# Altium PCB PCB-Tester-Board.PcbDoc (part 5 of 7) (continued)
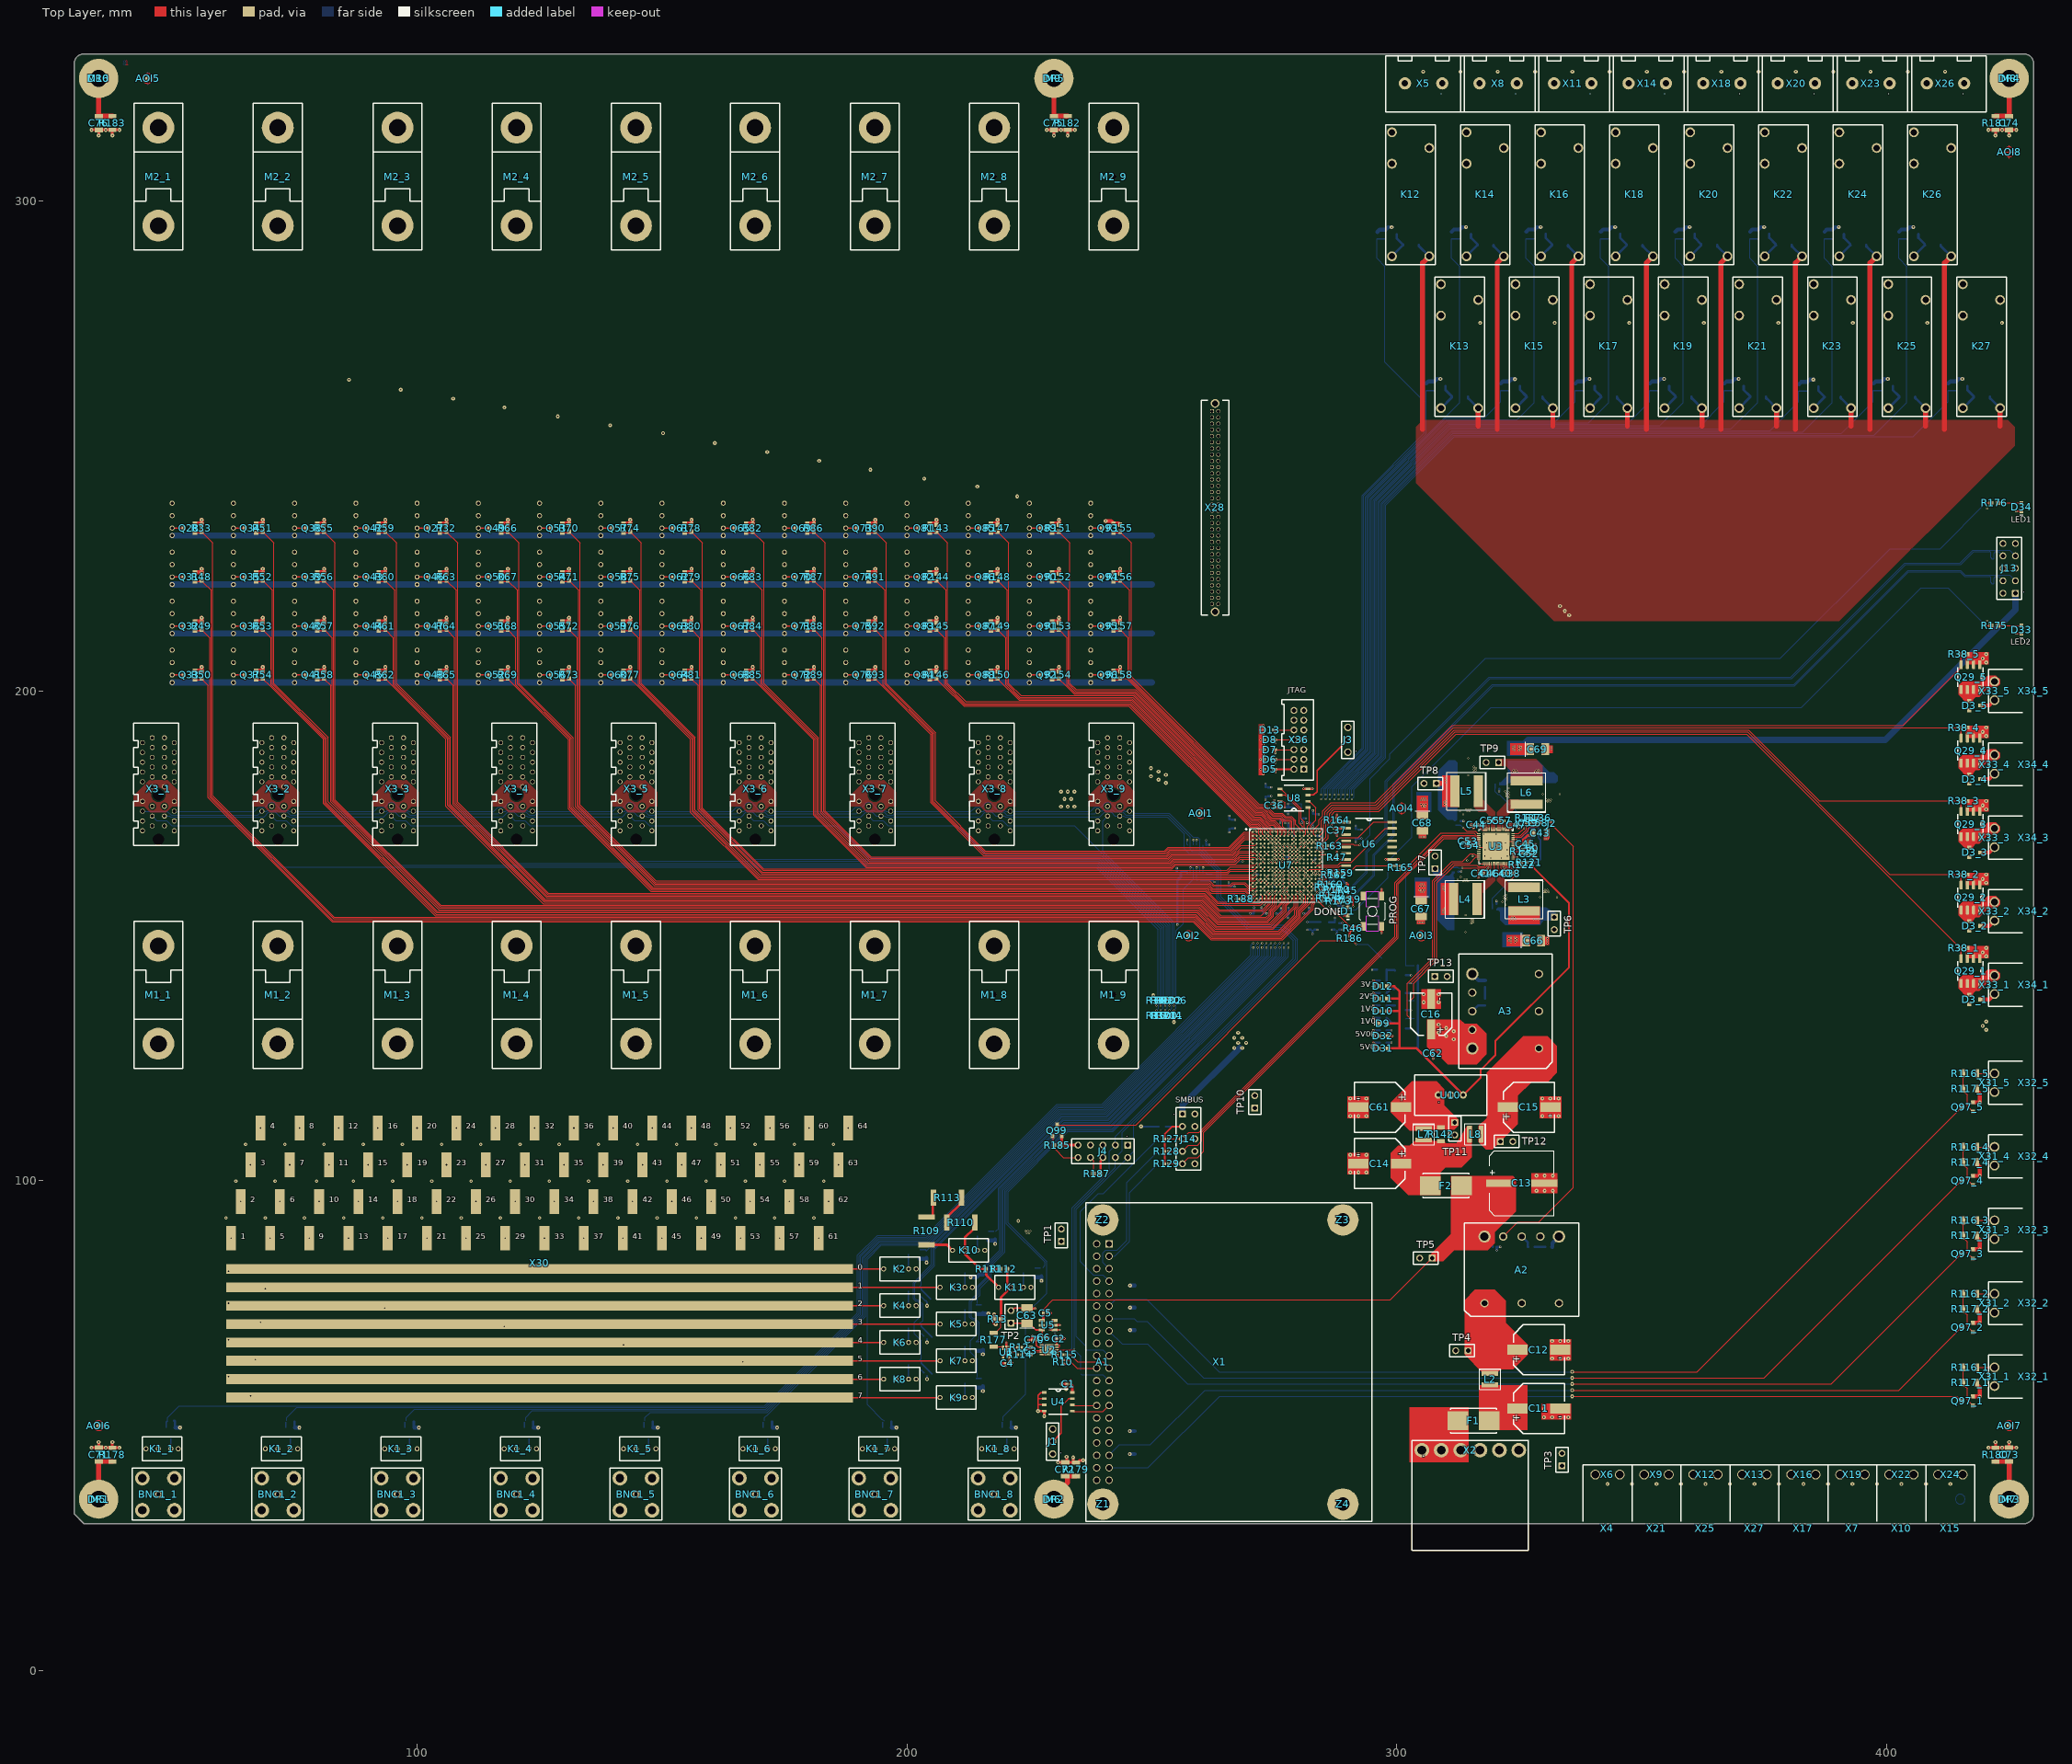
[diagram p0: Top Layer view]
## Nets (pads, with @x,y where several pads share a name; then routed paths per layer and width w, separated by ;. In a path a pad name is that pad's centre, name@x,y a point inside that pad or via, vN(x,y) a via of type N, cw(c..) or ccw(c..) an arc to the next point about the centre after c; other vN are vias at no path point) (continued)
  Bottom Layer w0.47: v1(294.968,143.107) Q98.2@295.967,143.107 ; R168.1@297.867,130.688 v1(298.865,130.688) ; R167.1@297.88,128.162 v1(298.878,128.162) ; Q30.2@301.9,131.123 v1(302.898,131.123) ; Q78.2@301.9,134.807 v1(302.898,134.807) ; Q79.2@301.9,138.343 v1(302.898,138.343) ; Q80.2@301.9,141.943 v1(302.898,141.943)
  Bottom Layer w0.508: R1_1.1@50.428,50.986 50.435,50.986 50.581,50.84 50.581,49.7 Q77_1.2@50.678,49.603 ; Q77_2.2@74.952,49.7 R1_2.1@74.952,50.84 ; Q77_3.2@99.327,49.7 R1_3.1@99.327,50.84 ; Q77_4.2@123.702,49.7 R1_4.1@123.702,50.84 ; Q77_5.2@148.077,49.7 R1_5.1@148.077,50.84 ; Q77_6.2@172.452,49.7 R1_6.1@172.452,50.84 ; Q77_7.2@196.827,49.7 R1_7.1@196.827,50.84 ; Q77_8.2@221.202,49.7 R1_8.1@221.202,50.84 ; v1(224.825,67.5) C64.2@225.6,67.5 v1(225.6,68.275) ; U9.1@227.55,66.425 227.625,66.35 v1(228.4,66.35) ; v1(231.4,68.5) 231.551,68.349 231.551,67.763 C65.2@231.564,67.75 v1(232.15,67.75) ; C77.2@255.1,163.1 v1(255.1,163.8) ; C449.2@283.8,170.4 283.821,170.379 284.221,170.379 v1(284.6,170) ; v1(320.4,85.8) C39.2@320.4,86.5 v1(321.099,86.5)
  Bottom Layer w0.8: Q77_1.2@50.678,49.603 v2(51.611,49.603) ; Q77_2.2@75.053,49.603 v2(75.986,49.603) ; Q77_3.2@99.428,49.603 v2(100.361,49.603) ; Q77_4.2@123.803,49.603 v2(124.736,49.603) ; Q77_5.2@148.178,49.603 v2(149.111,49.603) ; Q77_6.2@172.553,49.603 v2(173.486,49.603) ; Q77_7.2@196.928,49.603 v2(197.861,49.603) ; Q1.2@202.63,84.03 R2.1@203.75,84.03 ; v2(204,83.322) R2.1@204,84.255 ; v2(212.995,80.28) Q2.2@214.13,80.28 ; Q8.2@214.13,57.78 215.25,57.78 215.45,57.98 R9.1@215.5,57.98 ; Q6.2@214.13,65.28 R7.1@215.25,65.28 ; Q4.2@214.13,72.78 216.051,72.78 ; Q2.2@214.165,80.28 214.18,80.28 214.18,80.295 214.765,80.88 215.535,80.88 R3.1@215.535,80.93 ; v2(215.5,57.072) R9.1@215.5,57.98 ; R9.1@215.5,58.03 R9.1@215.5,57.98 ; v2(215.5,64.572) R7.1@215.5,65.505 ; R5.1@215.5,73.03 215.653,72.877 v2(216.631,72.877) ; Q9.2@216.63,87.82 Q9.2@216.67,87.82 R14.1@217.75,87.82 ; v2(218,87.112) R14.1@218,88.045 ; Q77_8.2@221.303,49.603 v2(222.236,49.603) ; Q10.2@226.078,80.28 R15.1@227.198,80.28 ; v2(227.448,79.572) R15.1@227.448,80.505 ; R17.1@296.031,293.681 296.481,294.131 Q12.2@297.669,294.131 ; Q12.2@297.719,294.158 298.187,294.627 v2(298.94,294.627) ; R18.1@305.993,262.72 306.443,263.17 Q13.2@307.63,263.17 ; Q13.2@307.68,263.197 308.149,263.665 v2(308.902,263.665) ; R19.1@311.213,293.72 311.663,294.17 Q14.2@312.85,294.17 312.9,294.17 312.9,294.197 313.369,294.665 v2(314.122,294.665) ; A3.4@315.4,142.2 316.7,140.9 R42.1@318,140.9 ; R20.1@321.213,262.72 321.663,263.17 Q15.2@322.85,263.17 ; Q15.2@322.9,263.142 323.369,263.611 v2(324.122,263.611) ; R21.1@326.433,293.72 326.883,294.17 Q16.2@328.07,294.17 ; Q16.2@328.12,294.197 328.589,294.665 v2(329.342,294.665) ; R40.1@331.7,86.5 331.75,86.5 331.75,87.25 A2.4@333.1,88.6 ; R22.1@336.433,262.72 336.883,263.17 Q17.2@338.07,263.17 ; Q17.2@338.12,263.197 338.589,263.665 v2(339.342,263.665) ; R23.1@341.653,293.72 342.103,294.17 Q18.2@343.29,294.17 ; Q18.2@343.34,294.197 343.809,294.665 v2(344.562,294.665) ; R24.1@351.653,262.72 352.103,263.17 Q19.2@353.29,263.17 ; Q19.2@353.34,263.197 353.809,263.665 v2(354.562,263.665) ; R25.1@356.873,293.72 357.323,294.17 Q20.2@358.51,294.17 ; Q20.2@358.56,294.197 359.029,294.665 v2(359.782,294.665) ; R26.1@366.873,262.72 367.323,263.17 Q21.2@368.51,263.17 ; Q21.2@368.56,263.197 369.029,263.665 v2(369.782,263.665) ; R27.1@372.093,293.72 372.543,294.17 Q22.2@373.73,294.17 ; Q22.2@373.78,294.197 374.249,294.665 v2(375.002,294.665) ; R28.1@382.093,262.587 382.543,263.037 Q23.2@383.73,263.037 ; Q23.2@383.78,263.065 384.249,263.533 v2(385.002,263.533) ; R29.1@387.313,293.72 387.763,294.17 Q24.2@388.95,294.17 ; Q24.2@389,294.197 389.469,294.665 v2(390.222,294.665) ; R30.1@397.313,262.72 397.763,263.17 Q25.2@398.95,263.17 ; Q25.2@399,263.197 399.469,263.665 v2(400.222,263.665) ; R31.1@402.533,293.72 402.983,294.17 Q26.2@404.17,294.17 ; Q26.2@404.22,294.197 404.689,294.665 v2(405.442,294.665) ; R16.1@412.533,262.72 412.983,263.17 Q11.2@414.17,263.17 ; Q11.2@414.22,263.197 414.689,263.665 v2(415.442,263.665)
  other v1: 228.4,64.65 229.6,64.65 229,65.5 229.6,66.35 330.752,148.5 330.752,148.983 330.752,149.465 314.046,150.774 315.174,152.504 304.462,152.685 304.945,152.685 305.427,152.685 315.58,152.758 315.174,152.986 315.58,153.24 315.174,153.469 314.057,154.229 322.199,156.337 321.564,156.947 285.7,157.1 322.293,157.352 321.886,157.581 322.293,157.835 329.227,157.846 332.681,157.835 321.886,158.063 322.293,158.317 330.01,158.963 330.493,158.963 330.976,158.963 330.239,159.369 330.722,159.369 313.563,161.163 314.046,161.163 314.528,161.163 312.42,161.392 313.792,161.569 314.274,161.569 313.03,162.001 316.763,162.001 324.256,162.636 324.231,163.144 316.789,163.398 323.717,164.925 324.714,165.202 314.35,165.4 328.375,165.874 319.151,165.875 321.31,165.875 315.456,166.28 317.964,166.28 322.536,166.28 328.375,166.695 327.901,167.249 318,167.575 322.5,167.575 328.375,167.802 328.375,168.653 318.301,168.925 322.16,168.925 326.65,169.348 327.125,169.348 330.251,169.824 330.733,169.824 304.749,170.18 305.232,170.18 305.714,170.18 317.754,170.739 320.25,170.739 322.746,170.739 315.646,172.11 324.897,172.11 315.189,172.669 325.354,172.669 327.85,173.077 327.85,173.584 327.85,174.077 313.538,174.752 312.9,175.42 314.38,175.42 314.862,175.42 314.126,175.827 314.608,175.827 315.091,175.827 330.777,177.37 331.26,177.37 330.523,177.777 331.006,177.777 331.488,177.777 322.83,178.282 322.423,178.511 322.83,178.765 333.227,178.893 329.772,178.905 322.423,178.994 322.83,179.248 322.123,179.442 322.83,180.145 314.583,182.769 272.7,183 315.711,183.517 316.117,183.771 272.2,184 315.711,184 316.117,184.254 315.711,184.482 272.7,185 272.2,186 314.594,186.224 272.7,187 272.2,188 331.539,188.073 331.539,188.556 272.7,189 272.2,190 272.7,191 272.2,192 272.7,193 420.5,214.3 420.5,237.2
  other v2: 343.006,38.09 348.006,38.09 353.006,38.09 358.006,38.09 363.006,38.09 368.006,38.09 373.006,38.09 378.006,38.09 383.006,38.09 388.006,38.09 393.006,38.09 398.006,38.09 403.006,38.09 408.006,38.09 413.006,38.09 330.048,51.714 331.699,51.714 333.35,51.714 335.001,51.714 330.048,53.365 331.699,63.714 333.35,63.714 335.001,63.714 331.699,67.286 333.35,67.286 335.001,67.286 328.523,97.951 330.174,97.951 331.826,97.951 328.523,101.049 330.174,101.049 331.826,101.049 290.499,101.714 292.15,101.714 293.801,101.714 290.499,105.286 292.15,105.286 293.801,105.286 290.499,113.214 292.15,113.214 293.801,113.214 329.699,113.214 331.35,113.214 333.001,113.214 290.499,116.786 292.15,116.786 293.801,116.786 329.699,116.786 331.35,116.786 333.001,116.786 420.3,130.8 419.6,131.6 420.3,132.5 305.46,136.423 308.54,136.423 305.46,138.074 308.54,138.074 420.3,145.8 419.6,146.6 420.3,147.5 420.3,160.8 419.6,161.6 420.3,162.5 420.3,175.8 419.6,176.6 420.3,177.5 420.3,190.8 419.6,191.6 420.3,192.5 420.3,205.8 419.6,206.6 420.3,207.5 222.506,239.681 214.39,241.69 203.516,243.31 192.527,245.125 182.098,246.939 171.46,248.754 160.775,250.568 150.206,252.59 139.404,254.198 128.719,256.012 117.818,257.827 107.348,259.642 96.663,261.456 86.106,263.49 317,275.1 332.22,275.1 347.44,275.1 362.66,275.1 377.88,275.1 393.1,275.1 408.32,275.1 423.54,275.1 305.378,326.39 312.988,326.39 320.598,326.39 328.208,326.39 335.818,326.39 343.428,326.39 351.038,326.39 358.648,326.39 366.258,326.39 373.868,326.39 381.478,326.39 389.088,326.39 396.698,326.39 404.308,326.39 411.918,326.39
  other v3: 222.7,91.8 61,92.4 69,92.4 77,92.4 85,92.4 93,92.4 101,92.4 109,92.4 117,92.4 125,92.4 133,92.4 141,92.4 149,92.4 157,92.4 165,92.4 173,92.4 181,92.4 63,99.9 71,99.9 79.5,99.9 87,99.9 95,99.9 103,99.9 111,99.9 119,99.9 127,99.9 135,99.9 143,99.9 151,99.9 159,99.9 167,99.9 175,99.9 183,99.9 65,107.4 73,107.4 81,107.4 89,107.4 97,107.4 105,107.4 113,107.4 121,107.4 129,107.4 137,107.4 145,107.4 153,107.4 161,107.4 169,107.4 177,107.4 185,107.4
HS1_15_N: J13.8 R170.1 R171.2 | length 177.7
  Top Layer w0.14: R171.2@286.169,159.616 286.549,159.616 286.924,159.241 287.559,159.241 R170.1@287.8,159 288.041,159.241 288.457,159.241 288.575,159.124 v1(288.645,159.124)
  Bottom Layer w0.14: 288.833,159.241 290.304,159.241 293.986,162.923 293.986,167.064 297.988,171.066 297.988,181.468 319.018,202.498 380.572,202.498 403.847,225.772 413.844,225.772 415.121,225.772 417.736,228.387 420.257,228.387 420.974,228.387 cw(c420.974,228.063) 421.298,228.063 421.298,227.232 ccw(c421.622,227.232) 421.946,227.232 421.946,228.063 cw(c422.27,228.063) 422.27,228.387 422.883,228.387 J13.8@423.73,227.54
HS1_15_P: J13.7 R169.2 R170.2 | length 177.7
  Top Layer w0.14: R169.2@286.783,160.217 286.783,159.832 287.056,159.559 287.559,159.559 R170.2@287.8,159.8 288.041,159.559 288.457,159.559 288.575,159.676 v1(288.645,159.676)
  Bottom Layer w0.14: 288.833,159.559 290.172,159.559 293.668,163.055 293.668,167.196 297.67,171.197 297.67,181.599 318.886,202.815 380.441,202.815 403.715,226.09 413.844,226.09 413.976,226.09 414.99,226.09 417.605,228.705 425.105,228.705 J13.7@426.27,227.54
HS2_15_N: J13.4 R173.1 R174.2 | length 176.7
  Top Layer w0.14: R174.2@286.483,157.317 286.863,157.317 287.238,156.942 287.872,156.942 R173.1@288.114,156.701 ; R173.1@288.355,156.942 288.771,156.942 288.888,156.825 v1(288.958,156.825)
  Bottom Layer w0.14: 289.146,156.942 290.145,156.942 295.499,162.297 295.499,166.437 299.501,170.439 299.501,180.841 319.644,200.985 381.199,200.985 404.473,224.259 414.925,224.259 415.877,223.307 420.257,223.307 420.974,223.307 cw(c420.974,222.983) 421.298,222.983 421.298,222.152 ccw(c421.622,222.152) 421.946,222.152 421.946,222.983 cw(c422.27,222.983) 422.27,223.307 422.883,223.307 J13.4@423.73,222.46
HS2_15_P: J13.3 R172.2 R173.2 | length 176.7
  Top Layer w0.14: R172.2@287.096,157.918 287.096,157.533 287.369,157.26 287.872,157.26 R173.2@288.114,157.501 ; R173.2@288.355,157.26 288.771,157.26 288.888,157.377 v1(288.958,157.377)
  Bottom Layer w0.14: 289.146,157.26 290.013,157.26 295.182,162.428 295.182,166.569 299.183,170.571 299.183,180.973 319.513,201.302 381.067,201.302 404.342,224.577 415.056,224.577 416.008,223.625 425.105,223.625 J13.3@426.27,222.46
ID_SC_2: U4.6 X1.28 | length 5
  Top Layer w0.152: U4.6@233.75,54.25 233.89,54.11 X1.28@238.724,54.11
ID_SD_2: U4.5 X1.27 | length 8.1
  Top Layer w0.152: U4.5@233.75,52.98 233.868,52.862 240.016,52.862 X1.27@241.264,54.11
In1_2: Q97_5.3 R166_5.1 X1.11 | length 203.2
  Top Layer w0.152: v2(335.786,61.006) 361.256,61.006 414.926,114.676 414.926,114.726 415.25,115.05 Q97_5.3@415.3,115.05
  Bottom Layer w0.152: X1.11@241.264,74.43 242.665,75.832 248.945,75.832 263.77,61.006 v2(335.786,61.006)
In2_2: Q97_4.3 R166_4.1 X1.13 | length 195.8
  Top Layer w0.152: v2(335.786,59.755) 374.955,59.755 414.926,99.726 414.976,99.726 Q97_4.3@415.3,100.05
  Bottom Layer w0.152: X1.13@241.264,71.89 246.351,71.89 246.592,71.649 246.941,71.3 248.977,71.3 260.522,59.755 v2(335.786,59.755)
In3_2: Q97_3.3 R166_3.1 X1.15 | length 189.5
  Top Layer w0.152: v2(335.786,58.503) 388.703,58.503 415.25,85.05 Q97_3.3@415.3,85.05
  Bottom Layer w0.152: X1.15@241.264,69.35 243.914,66.7 249.077,66.7 257.273,58.503 v2(335.786,58.503)
In4_2: Q97_2.3 R166_2.1 X1.35 | length 184.9
  Top Layer w0.152: v2(335.786,57.252) 402.452,57.252 Q97_2.3@415.292,70.092
  Bottom Layer w0.152: X1.35@241.264,43.95 243.417,46.104 247.306,46.104 247.313,46.112 249.688,46.112 260.828,57.252 v2(335.786,57.252)
In5_2: Q97_1.3 R166_1.1 X1.37 | length 180.5
  Top Layer w0.152: v2(335.786,56) 414.3,56 414.926,55.374 415.25,55.05 Q97_1.3@415.3,55.05
  Bottom Layer w0.152: X1.37@241.264,41.41 249.237,41.41 263.827,56 v2(335.786,56)
LED1_15: R176.2 U7.E17 | length 174.9
  Top Layer w0.127: 283.8,168.4 284.6,168.4
  Top Layer w0.152: U7.E17@283.4,168 283.8,168.4 ; 284.6,168.4 285.205,167.795 287.107,167.795 288.055,168.743 291.068,168.743 291.269,168.541 v1(292.406,168.541)
  Top Layer w0.203: v1(420.219,238.325) R176.2@421.3,238.325
  Bottom Layer w0.152: v1(292.406,168.541) 294.493,170.629 294.493,182.034 298.6,186.14 298.6,187.1 318.1,206.6 378.3,206.6 400.7,229 410.894,229 v1(420.219,238.325)
LED2_15: R175.2 U7.U17 | length 178.1
  Top Layer w0.127: 283.8,157.2 283.8,158
  Top Layer w0.152: U7.U17@283.4,158.4 283.8,158 ; 283.8,157.2 v1(285.727,155.273)
  Top Layer w0.203: v1(420.219,213.325) R175.2@421.3,213.325
  Bottom Layer w0.152: v1(285.727,155.273) 291.596,155.273 298.203,161.88 298.203,165.26 303.1,170.157 303.1,180.44 319.26,196.6 382.6,196.6 407.033,221.033 412.511,221.033 v1(420.219,213.325)
MISO_1: J4.3 R115.2 R118.1 X1.21 X3_1.A15 X3_2.A15 X3_3.A15 X3_4.A15 X3_5.A15 X3_6.A15 X3_7.A15 X3_8.A15 X3_9.A15 | length 365.7
  Top Layer w0.152: R115.2@232.65,64.5 v1(233.3,64.5) 234.8,63 239.994,63 X1.21@241.264,61.73
  Bottom Layer w0.152: X3_1.A15@48.438,174.428 49.436,174.428 49.617,174.247 68.757,174.247 69.755,175.245 71.035,175.245 71.852,174.428 X3_2.A15@72.813,174.428 73.702,174.428 73.886,174.244 93.191,174.244 94.192,175.245 95.473,175.245 96.29,174.428 X3_3.A15@97.25,174.428 98.015,174.428 98.199,174.244 117.504,174.244 118.505,175.245 119.785,175.245 120.602,174.428 X3_4.A15@121.563,174.428 122.39,174.428 122.574,174.244 141.879,174.244 142.88,175.245 144.16,175.245 144.977,174.428 X3_5.A15@145.938,174.428 146.702,174.428 146.886,174.244 166.191,174.244 167.192,175.245 168.473,175.245 169.29,174.428 X3_6.A15@170.25,174.428 171.14,174.428 171.324,174.244 190.629,174.244 191.63,175.245 192.91,175.245 193.727,174.428 X3_7.A15@194.688,174.428 195.515,174.428 195.699,174.244 215.004,174.244 216.005,175.245 217.285,175.245 218.102,174.428 X3_8.A15@219.063,174.428 219.89,174.428 220.074,174.244 239.379,174.244 240.38,175.245 241.661,175.245 242.478,174.428 X3_9.A15@243.438,174.428 244.266,174.428 244.479,174.215 253.174,174.215 256.583,170.806 256.583,167.768 257.538,166.814 259.566,166.814 263.304,163.076 263.304,162.6 263.304,157.638 269.567,151.375 276.488,151.375 278.894,148.97 278.894,145.381 242.54,109.027 J4.3@242.54,107.27 241.3,106.03 241.3,102.068 233.735,94.503 233.735,65.85 233.3,65.415 v1(233.3,64.5)
MOSI_1: J4.2 R107.1 U11.5 X3_1.A14 X3_2.A14 X3_3.A14 X3_4.A14 X3_5.A14 X3_6.A14 X3_7.A14 X3_8.A14 X3_9.A14 | length 358.6
  Bottom Layer w0.152: X3_1.A14@50.438,175.428 66.852,175.428 67.701,176.277 68.982,176.277 69.943,177.238 70.751,177.238 72.379,175.61 73.705,175.61 73.887,175.428 X3_2.A14@74.813,175.428 91.227,175.428 92.076,176.277 93.357,176.277 94.318,177.238 95.126,177.238 96.754,175.61 98.08,175.61 98.262,175.428 X3_3.A14@99.188,175.428 ; X3_3.A14@99.25,175.428 115.665,175.428 116.513,176.277 117.794,176.277 118.756,177.238 119.564,177.238 121.191,175.61 122.518,175.61 122.7,175.428 X3_4.A14@123.563,175.428 139.977,175.428 140.826,176.277 142.107,176.277 143.068,177.238 143.876,177.238 145.504,175.61 146.83,175.61 147.012,175.428 X3_5.A14@147.938,175.428 164.352,175.428 165.201,176.277 166.482,176.277 167.443,177.238 168.251,177.238 169.879,175.61 171.205,175.61 171.387,175.428 X3_6.A14@172.25,175.428 188.665,175.428 189.513,176.277 190.794,176.277 191.756,177.238 192.564,177.238 194.191,175.61 195.518,175.61 195.7,175.428 X3_7.A14@196.625,175.428 ; X3_7.A14@196.688,175.428 213.102,175.428 213.951,176.277 215.232,176.277 216.193,177.238 217.001,177.238 218.629,175.61 219.955,175.61 220.137,175.428 X3_8.A14@221.063,175.428 237.477,175.428 238.326,176.277 239.607,176.277 240.568,177.238 241.376,177.238 243.004,175.61 244.33,175.61 244.512,175.428 X3_9.A14@245.438,175.428 246.085,175.428 246.508,175.005 253.502,175.005 258.373,170.134 259.325,170.134 259.8,169.658 259.8,168.5 259.8,167.692 264.09,163.401 264.09,157.969 269.894,152.166 276.816,152.166 279.684,149.297 279.684,145.054 246.32,111.689 246.32,105.97 J4.2@245.08,104.73 234.525,94.175 234.525,68.175 R107.1@236.3,66.4
NetA2_1: A2.1 C12.1 L2.1 TP4.1
NetA2_5: A2.5
NetA2_6: A2.6 R39.2 | length 2.6
  Bottom Layer w0.508: A2.6@325.5,88.6 326.744,87.356 326.744,86.556 R39.2@326.8,86.5
NetA3_1: A3.1 C15.1 L8.1 TP12.1
NetA3_5: A3.5
NetA3_6: A3.6 R41.2 | length 3.1
  Bottom Layer w0.508: A3.6@315.4,134.6 316.6,135.8 R41.2@318,135.8
NetBNC1_1_1: BNC1_1.1 K1_1.3 | length 9.3
  Inner2 w0.254: BNC1_1.1@47.188,36 K1_1.3@47.188,45.271
NetBNC1_2_1: BNC1_2.1 K1_2.3 | length 9.3
  Inner2 w0.254: BNC1_2.1@71.563,36 K1_2.3@71.563,45.271
NetBNC1_3_1: BNC1_3.1 K1_3.3 | length 9.3
  Inner2 w0.254: BNC1_3.1@95.938,36 K1_3.3@95.938,45.271
NetBNC1_4_1: BNC1_4.1 K1_4.3 | length 9.3
  Inner2 w0.254: BNC1_4.1@120.313,36 K1_4.3@120.313,45.271
NetBNC1_5_1: BNC1_5.1 K1_5.3 | length 9.3
  Inner2 w0.254: BNC1_5.1@144.688,36 K1_5.3@144.688,45.271
NetBNC1_6_1: BNC1_6.1 K1_6.3 | length 9.3
  Inner2 w0.254: BNC1_6.1@169.063,36 K1_6.3@169.063,45.271
NetBNC1_7_1: BNC1_7.1 K1_7.3 | length 9.3
  Inner2 w0.254: BNC1_7.1@193.438,36 K1_7.3@193.438,45.271
NetBNC1_8_1: BNC1_8.1 K1_8.3 | length 9.3
  Inner2 w0.254: BNC1_8.1@217.813,36 K1_8.3@217.813,45.271
NetC3_1: C3.1 R12.1 U2.3 | length 4.5
  Top Layer w0.127: R12.1@223.484,65.939 223.484,65.916 223.612,65.788 223.634,65.788 223.726,65.697 224.997,65.697 C3.1@225.25,65.95 225.484,65.716 225.883,65.716 226.185,65.415 227.415,65.415 U2.3@227.5,65.5
NetC3_2: C3.2 R114.1 U2.4 | length 4.6
  Top Layer w0.127: R114.1@223.4,64.5 223.612,64.712 223.614,64.712 223.712,64.81 224.99,64.81 C3.2@225.25,64.55 225.483,64.783 225.882,64.783 226.185,65.085 227.415,65.085 U2.4@227.5,65
NetC11_1: C11.1 F1.2 L2.2
NetC14_1: C14.1 F2.2 L7.2 L8.2 R142.1
NetC24_1: C24.1 C25.1 C26.1 C42.1 J5.1 J6.1 L3.2 R94.2 TP6.1
  other v1: 323.244,153.352 323.727,153.352 324.21,153.352 327.889,153.352 328.372,153.352 328.854,153.352 323.498,153.758 323.981,153.758
NetC27_1: C27.1 C28.1 C29.1 C48.1 J7.1 J8.1 L4.2 R96.2 TP7.1
  other v1: 309.813,154.602 309.406,154.83 309.813,155.084 309.406,155.313 309.813,155.567 309.813,159.246 309.406,159.475 309.813,159.729 309.406,159.957 309.813,160.211
NetC30_1: C30.1 C31.1 C32.1 C56.1 J9.1 J10.1 L5.2 R130.2 TP8.1 | length 4.9
  Top Layer w0.152: L5.2@310.962,181.1 311.835,180.226 L5.2@311.835,179.492
  Top Layer w1: TP8.1@308.076,181.1 L5.2@310.962,181.1
  other v1: 310.1,176.597 309.693,176.825 310.1,177.079 309.693,177.308 310.1,177.562 310.1,181.241 310.1,181.724 310.1,182.206
NetC33_1: C33.1 C34.1 C35.1 C60.1 J11.1 J12.1 L6.2 R135.2 TP9.1
  other v1: 323.6,183.388 324.082,183.388 324.565,183.388 328.244,183.388 328.727,183.388 329.209,183.388 323.828,183.794 324.311,183.794 328.473,183.794 328.955,183.794
NetC40_1: C40.1 U3.38 | length 2.3
  Top Layer w0.22: U3.38@321.25,164.75 321.25,163.737 321.78,163.207 321.78,162.87 C40.1@321.9,162.75
NetC40_2: C40.2 L3.1 U3.36
NetC46_1: C46.1 U3.33 | length 2.3
  Top Layer w0.22: C46.1@318.6,162.75 318.722,162.872 318.722,163.205 319.25,163.733 U3.33@319.25,164.75
NetC46_2: C46.2 L4.1 U3.34
NetC51_1: C51.1 C52.1 R123.1 U3.47 | length 4.3
  Top Layer w0.22: U3.47@323.75,167.25 324.797,167.25 v1(325.135,166.91) 325.689,166.911 R123.1@325.75,166.85 325.85,166.75 C52.1@326.6,166.75
  Bottom Layer w0.457: v1(325.135,166.91) 325.349,166.696 325.704,166.696 325.95,166.45 C51.1@325.95,166.25
NetC54_1: C54.1 U3.21 | length 1.4
  Top Layer w0.22: C54.1@315.347,168.45 U3.21@316.75,168.45
NetC55_1: C55.1 U3.11 | length 1.9
  Top Layer w0.22: C55.1@318.6,173.5 318.675,173.425 318.675,173.024 318.85,172.849 U3.11@318.85,171.75
NetC55_2: C55.2 L5.1 U3.8
NetC57_1: C57.1 U3.4 | length 1.9
  Top Layer w0.22: U3.4@321.65,171.75 321.65,172.858 321.816,173.024 321.816,173.416 C57.1@321.9,173.5
NetC57_2: C57.2 L6.1 U3.5
NetC58_1: C58.1 R136.2 U3.54 | length 8.2
  Top Layer w0.152: U3.54@323.75,170.05 323.784,170.084 324.113,170.084 ; 324.113,170.084 325.449,170.084 326.822,171.457 326.822,171.948 327.182,172.308 328.783,172.308 329.137,172.661 329.137,172.933 C58.1@329.279,173.076 R136.2@329.279,174.066
NetC59_1: C59.1 R137.2 U3.55 | length 5.6
  Top Layer w0.152: U3.55@323.75,170.45 325.275,170.45 326.425,171.6 326.425,173.072 C59.1@326.422,173.076 R137.2@326.422,174.066
NetC61_1: C61.1 L7.1 R142.2 TP11.1 U10.1
NetC71_2: C71.2 DR1.1 R178.1 | length 10.5
  Top Layer w1.016: DR1.1@35,35 C71.2@35,42.7 R178.1@37.8,42.7
NetC72_2: C72.2 DR2.1 R179.1 | length 8.2
  Top Layer w1.016: DR2.1@230,35 230,35.6 232.779,38.379 232.779,39.221 C72.2@232.3,39.7 R179.1@234.5,39.7
NetC73_2: C73.2 DR3.1 R180.1 | length 10.5
  Top Layer w1.016: R180.1@422.2,42.7 C73.2@425,42.7 DR3.1@425,35
NetC74_2: C74.2 DR4.1 R181.1 | length 10.5
  Top Layer w1.016: R181.1@422.2,317.3 C74.2@425,317.3 DR4.1@425,325
NetC75_2: C75.2 DR5.1 R182.1 | length 10.5
  Top Layer w1.016: DR5.1@230,325 C75.2@230,317.3 R182.1@232.8,317.3
NetC76_2: C76.2 DR6.1 R183.1 | length 10.5
  Top Layer w1.016: DR6.1@35,325 C76.2@35,317.3 R183.1@37.8,317.3
NetD1_1: D1.1 R119.2 | length 1.3
  Top Layer w0.254: D1.1@290,155.825 R119.2@290,157.1
NetD3_1_1: D3_1.1 Q29_1.3 X33_1.2
NetD3_2_1: D3_2.1 Q29_2.3 X33_2.2
NetD3_3_1: D3_3.1 Q29_3.3 X33_3.2
NetD3_4_1: D3_4.1 Q29_4.3 X33_4.2
NetD3_5_1: D3_5.1 Q29_5.3 X33_5.2
NetD9_2: D9.2 R99.2 | length 2.9
  Top Layer w0.47: v1(295.2,133.235) D9.2@296.355,132.08
  Bottom Layer w0.47: v1(295.2,133.235) R99.2@296.467,133.235
NetD10_2: D10.2 R101.2 | length 2.9
  Top Layer w0.47: v1(295.2,135.775) D10.2@296.355,134.62
  Bottom Layer w0.47: v1(295.2,135.775) R101.2@296.467,135.775
NetD11_2: D11.2 R103.2 | length 2.9
  Top Layer w0.47: v1(295.2,138.315) D11.2@296.355,137.16
  Bottom Layer w0.47: v1(295.2,138.315) R103.2@296.467,138.315
NetD12_2: D12.2 R105.2 | length 2.9
  Top Layer w0.47: v1(295.2,140.855) D12.2@296.355,139.7
  Bottom Layer w0.47: v1(295.2,140.855) R105.2@296.467,140.855
NetD14_1: D14.1 K12.5 Q12.3 | length 6
  Bottom Layer w0.508: K12.5@299,288.7 D14.1@301.262,290.962 301.262,291.114 299.969,292.407 Q12.3@299.969,293.181
NetD15_1: D15.1 K13.5 Q13.3 | length 5.8
  Bottom Layer w0.508: K13.5@309,257.7 D15.1@311.262,259.962 ; Q13.3@309.93,262.22 309.93,261.445 D15.1@311.223,260.152
NetD16_1: D16.1 K14.5 Q14.3 | length 5.8
  Bottom Layer w0.508: K14.5@314.22,288.7 D16.1@316.482,290.962 ; Q14.3@315.15,293.22 315.15,292.445 D16.1@316.443,291.152
NetD17_1: D17.1 K15.5 Q15.3 | length 5.8
  Bottom Layer w0.508: K15.5@324.22,257.7 D17.1@326.482,259.962 ; Q15.3@325.15,262.22 325.15,261.445 D17.1@326.443,260.152
NetD18_1: D18.1 K16.5 Q16.3 | length 5.8
  Bottom Layer w0.508: K16.5@329.44,288.7 D18.1@331.702,290.962 ; Q16.3@330.37,293.22 330.37,292.445 D18.1@331.663,291.152
NetD19_1: D19.1 K17.5 Q17.3 | length 5.8
  Bottom Layer w0.508: K17.5@339.44,257.7 D19.1@341.702,259.962 ; Q17.3@340.37,262.22 340.37,261.445 D19.1@341.663,260.152
NetD20_1: D20.1 K18.5 Q18.3 | length 5.8
  Bottom Layer w0.508: K18.5@344.66,288.7 D20.1@346.922,290.962 ; Q18.3@345.59,293.22 345.59,292.445 D20.1@346.883,291.152
NetD21_1: D21.1 K19.5 Q19.3 | length 5.8
  Bottom Layer w0.508: K19.5@354.66,257.7 D21.1@356.922,259.962 ; Q19.3@355.59,262.22 355.59,261.445 D21.1@356.883,260.152
NetD22_1: D22.1 K20.5 Q20.3 | length 5.8
  Bottom Layer w0.508: K20.5@359.88,288.7 D22.1@362.142,290.962 ; Q20.3@360.81,293.22 360.81,292.445 D22.1@362.103,291.152
NetD23_1: D23.1 K21.5 Q21.3 | length 5.8
  Bottom Layer w0.508: K21.5@369.88,257.7 D23.1@372.142,259.962 ; Q21.3@370.81,262.22 370.81,261.445 D23.1@372.103,260.152
NetD24_1: D24.1 K22.5 Q22.3 | length 5.8
  Bottom Layer w0.508: K22.5@375.1,288.7 D24.1@377.362,290.962 ; Q22.3@376.03,293.22 376.03,292.445 D24.1@377.323,291.152
NetD25_1: D25.1 K23.5 Q23.3 | length 5.8
  Bottom Layer w0.508: K23.5@385.1,257.7 D25.1@387.362,259.962 ; Q23.3@386.03,262.087 386.03,261.313 D25.1@387.323,260.02
NetD26_1: D26.1 K24.5 Q24.3 | length 5.8
  Bottom Layer w0.508: K24.5@390.32,288.7 D26.1@392.582,290.962 ; Q24.3@391.25,293.22 391.25,292.445 D26.1@392.543,291.152
NetD27_1: D27.1 K25.5 Q25.3 | length 5.8
  Bottom Layer w0.508: K25.5@400.32,257.7 D27.1@402.582,259.962 ; Q25.3@401.25,262.22 401.25,261.445 D27.1@402.543,260.152
NetD28_1: D28.1 K26.5 Q26.3 | length 5.8
  Bottom Layer w0.508: K26.5@405.54,288.7 D28.1@407.802,290.962 ; Q26.3@406.47,293.22 406.47,292.445 D28.1@407.763,291.152
NetD29_1: D29.1 K27.5 Q11.3 | length 5.8
  Bottom Layer w0.508: K27.5@415.54,257.7 D29.1@417.802,259.962 ; Q11.3@416.47,262.22 416.47,261.445 D29.1@417.763,260.152
NetD31_2: D31.2 R167.2 | length 2.9
  Top Layer w0.47: v1(295.2,128.155) D31.2@296.355,127
  Bottom Layer w0.47: v1(295.2,128.155) 296.467,128.155 R167.2@296.48,128.168
NetD32_2: D32.2 R168.2 | length 2.9
  Top Layer w0.47: v1(295.2,130.695) D32.2@296.355,129.54
  Bottom Layer w0.47: v1(295.2,130.695) R168.2@296.467,130.695
NetD33_1: D33.1 R175.1 | length 4.8
  Top Layer w0.203: R175.1@422.7,213.325 D33.1@427.5,213.325
NetD34_1: D34.1 R176.1 | length 4.8
  Top Layer w0.203: R176.1@422.7,238.325 D34.1@427.5,238.325
NetJ1_2: J1.2 U4.7 | length 10.8
  Top Layer w0.305: J1.2@229.75,46.75 231.467,48.467 231.467,53.958 232.99,55.481 233.711,55.481 U4.7@233.75,55.52
NetJ3_2: J3.2 U8.3 | length 15.3
  Top Layer w0.254: U8.3@281.87,178.735 283.035,178.735 283.745,179.445 283.745,183.745 J3.2@290,190
NetJ16_2: J16.2 X1.3 | length 23.8
  Bottom Layer w0.152: X1.3@241.264,84.59 242.411,84.59 245.404,87.583 245.404,97.612 250.829,103.036 251.252,103.46 J16.2@251.352,103.46
NetJ17_2: J17.2 X1.5 | length 30.6
  Bottom Layer w0.152: X1.5@241.264,82.05 240.025,83.289 240.025,85.294 240.593,85.862 242.9,85.862 244.887,87.849 244.887,99.637 250.827,105.576 250.929,105.576 J17.2@251.352,106
NetJ18_2: J18.2 X1.7 | length 39.9
  Bottom Layer w0.152: X1.7@241.264,79.51 240.002,80.771 238.043,80.771 235.369,83.445 235.369,93.687 239.1,97.418 240.13,97.418 250.828,108.116 250.929,108.116 J18.2@251.352,108.54
NetK1_1_2: K1_1.2 Q77_1.3 | length 2
  Bottom Layer w0.254: K1_1.2@49.728,45.271 Q77_1.3@49.728,47.303
NetK1_2_2: K1_2.2 Q77_2.3 | length 2
  Bottom Layer w0.254: K1_2.2@74.103,45.271 Q77_2.3@74.103,47.303
NetK1_3_2: K1_3.2 Q77_3.3 | length 2
  Bottom Layer w0.254: K1_3.2@98.478,45.271 Q77_3.3@98.478,47.303
NetK1_4_2: K1_4.2 Q77_4.3 | length 2
  Bottom Layer w0.254: K1_4.2@122.853,45.271 Q77_4.3@122.853,47.303
NetK1_5_2: K1_5.2 Q77_5.3 | length 2
  Bottom Layer w0.254: K1_5.2@147.228,45.271 Q77_5.3@147.228,47.303
NetK1_6_2: K1_6.2 Q77_6.3 | length 2
  Bottom Layer w0.254: K1_6.2@171.603,45.271 Q77_6.3@171.603,47.303
NetK1_7_2: K1_7.2 Q77_7.3 | length 2
  Bottom Layer w0.254: K1_7.2@195.978,45.271 Q77_7.3@195.978,47.303
NetK1_8_2: K1_8.2 Q77_8.3 | length 2
  Bottom Layer w0.254: K1_8.2@220.353,45.271 Q77_8.3@220.353,47.303